# KiCad board AmigaPCI Mainboard.kicad_pcb (continued)
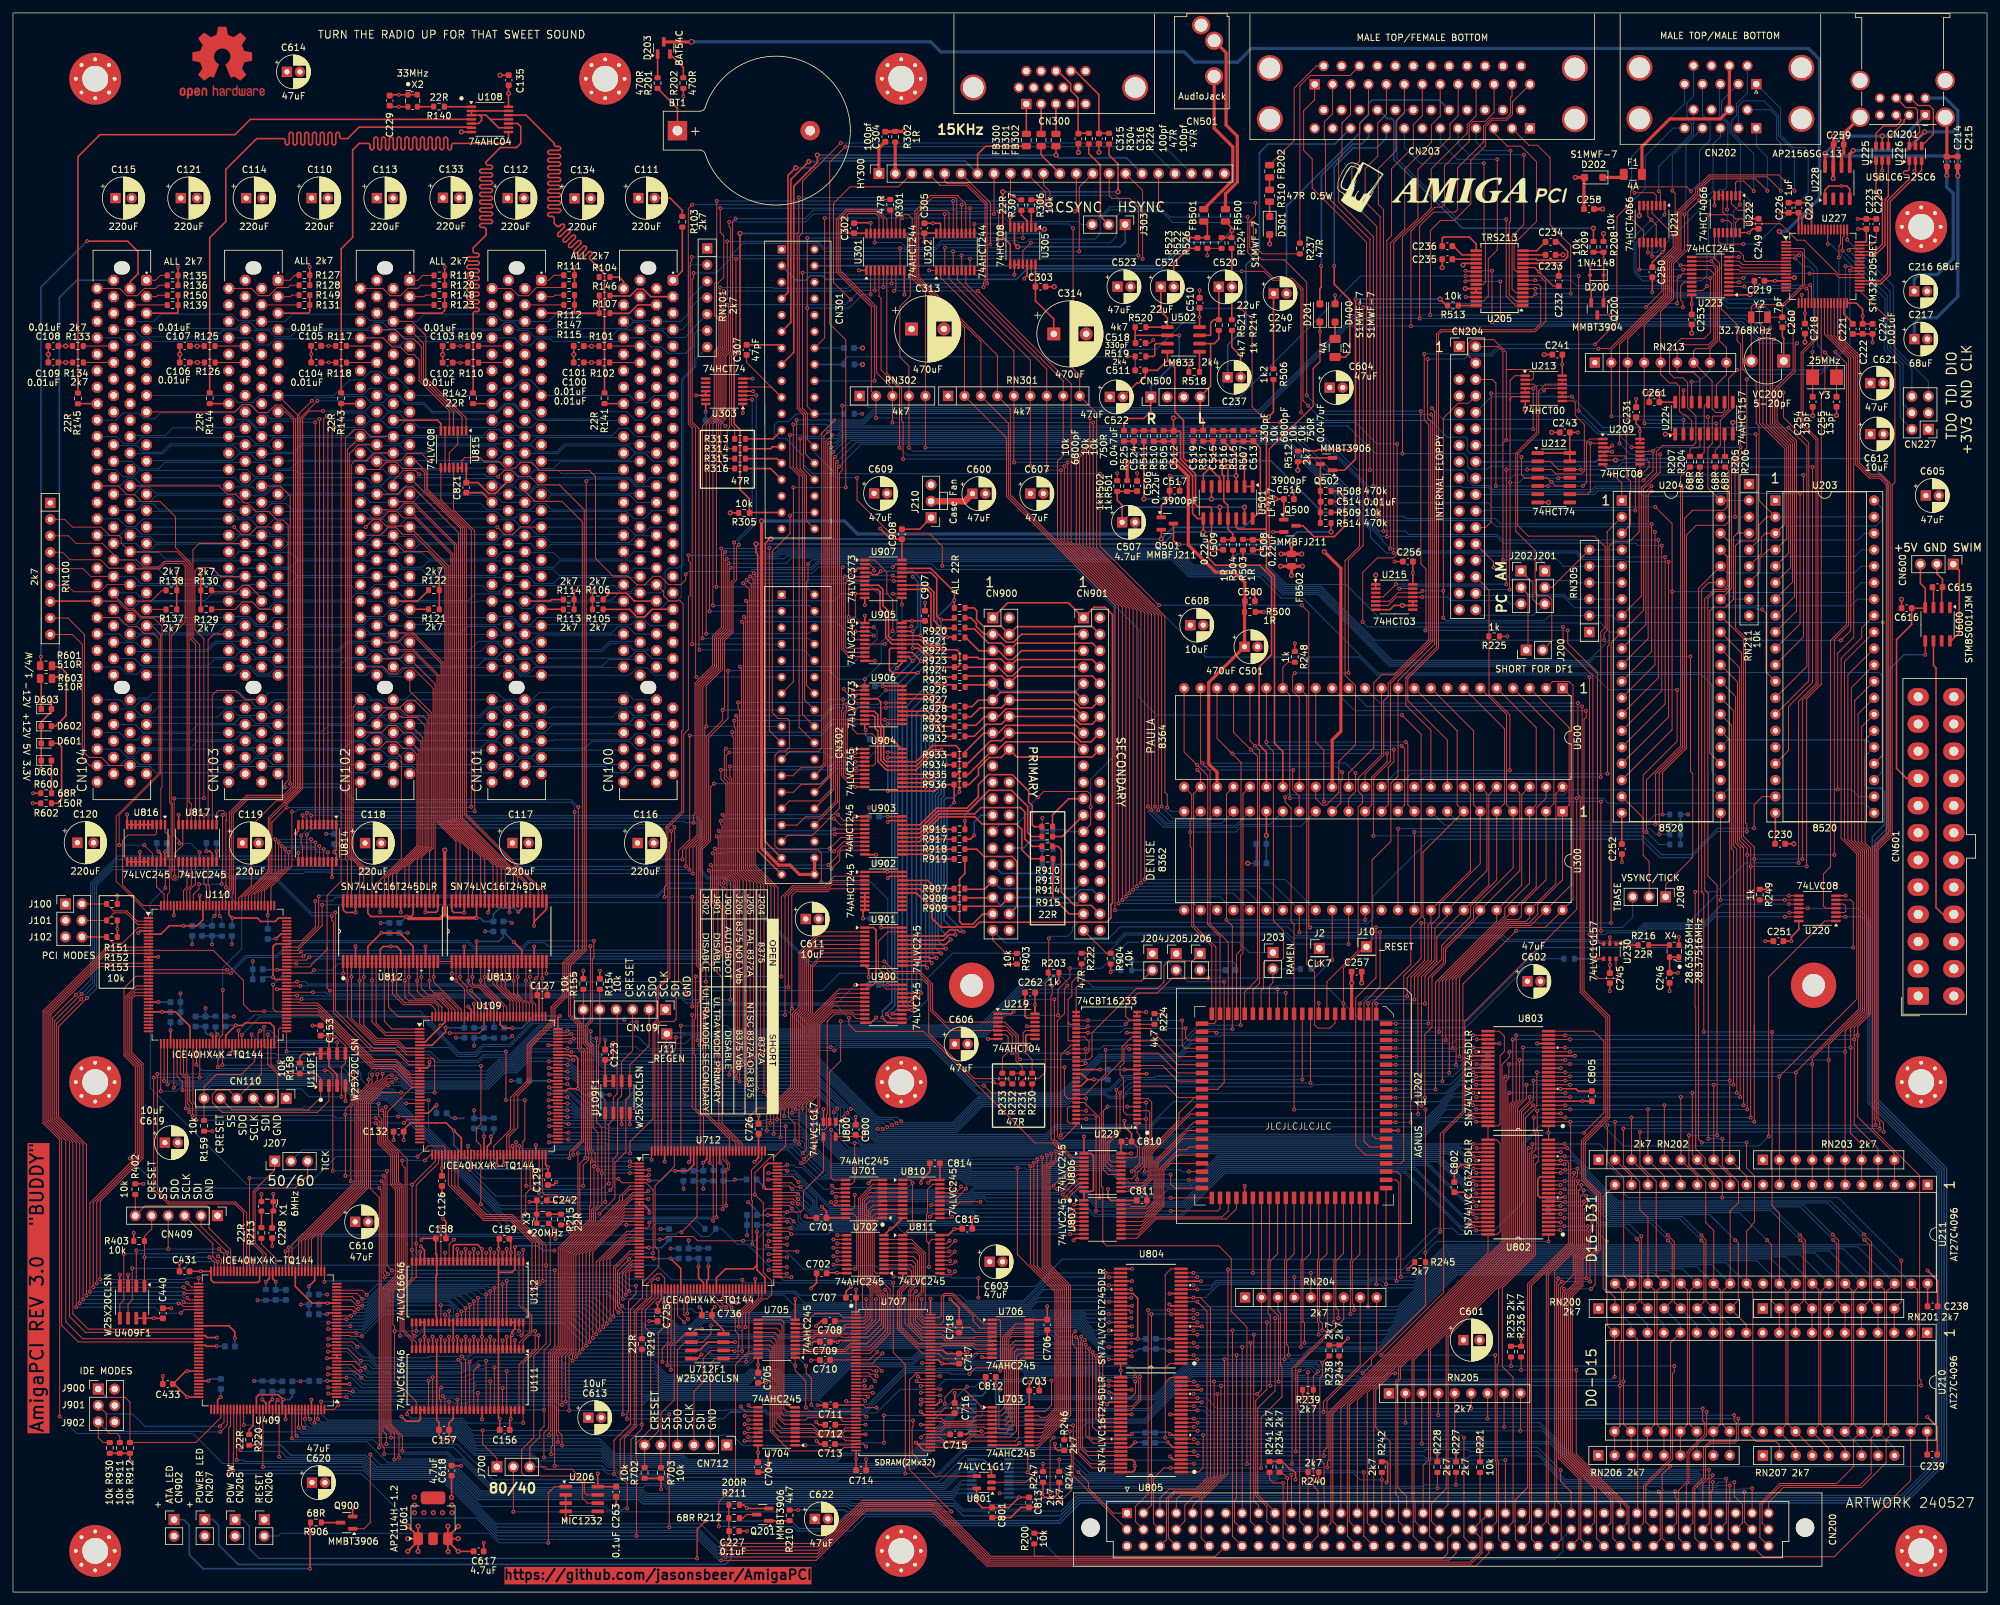
[diagram p0: board, top side]
## Nets (continued)
D16: CN200.b25 RN202.2 U204.33 U211.19 U227.23 U803.2
D17: CN200.a20 RN202.3 U204.32 U211.18 U227.24 U803.3
D18: CN200.b24 RN202.4 U204.31 U211.17 U227.25 U803.5
D19: CN200.b19 RN202.5 U204.30 U211.16 U803.6
D20: CN200.a18 RN202.6 U204.29 U211.15 U803.8
D21: CN200.c15 RN202.7 U204.28 U211.14 U803.9
D22: CN200.b18 RN202.8 U204.27 U211.13 U803.11
D23: CN200.c19 RN202.9 U204.26 U211.12 U803.12
D24: CN200.b14 RN203.2 U203.33 U211.10 U803.13
D25: CN200.a19 RN203.3 U203.32 U211.9 U803.14
D26: CN200.a14 RN203.4 U203.31 U211.8 U803.16
D27: CN200.b16 RN203.5 U203.30 U211.7 U803.17
D28: CN200.b13 RN203.6 U203.29 U211.6 U803.19
D29: CN200.a16 RN203.7 U203.28 U211.5 U803.20
D30: CN200.b15 RN203.8 U203.27 U211.4 U803.22
D31: CN200.a15 RN203.9 U203.26 U211.3 U803.23
DA0: U712.129 U902.3
DA1: U712.128 U902.2
DA2: U712.120 U902.4
DBDIR: U705.1 U706.1 U712.43
DIR: CN204.18 U203.11
DKWE: U213.12 U213.13 U500.39
DMAL: U202.18 U500.12
DRA0-G: U202.42 U229.10 U806.13
DRA1-0: U202.43 U806.12
DRA2-1: U202.44 U806.11
DRA3-2: U202.45 U807.18
DRA4-3: U202.46 U807.17
DRA5-4: U202.47 U807.16
DRA6-5: U202.48 U807.15
DRA7-6: U202.49 U807.14
DRA8-7: U202.50 U807.13
DRA9-8: U229.37 U806.16
DRD0: U202.14 U300.7 U500.10 U810.18
DRD1: U202.13 U300.6 U500.9 U810.17
DRD2: U202.12 U300.5 U500.7 U810.16
DRD3: U202.11 U300.4 U500.6 U810.15
DRD4: U202.10 U300.3 U500.5 U810.14
DRD5: U202.9 U300.2 U500.4 U810.13
DRD6: U202.8 U300.1 U500.3 U810.12
DRD7: U202.7 U300.48 U500.2 U810.11
DRD8: U202.6 U300.47 U500.1 U811.18
DRD9: U202.5 U300.46 U500.48 U811.17
DRD10: U202.4 U300.45 U500.47 U811.16
DRD11: U202.3 U300.44 U500.46 U811.15
DRD12: U202.2 U300.43 U500.45 U811.14
DRD13: U202.1 U300.42 U500.44 U811.13
DRD14: U202.84 U300.41 U500.43 U811.12
DRD15: U202.83 U300.40 U500.42 U811.11
DRDDIR: U712.107 U810.1 U811.1
FLTLEFT: CN301.3 FB500.1 R524.1 R526.2
FLTRIGHT: CN301.4 FB501.1 R522.1 R523.2
IDEDIR: U110.83 U900.1 U901.1
IDSEL0: CN100.A26 U109.48
IDSEL1: CN101.A26 U109.61
IDSEL2: CN102.A26 U109.55
IDSEL3: CN103.A26 U109.60
IDSEL4: CN104.A26 U109.56
IORDY: U110.110 U815.11
KBData: RN211.3 U204.39 U227.39
LVA0: U110.62 U712.12 U805.47
LVA1: U110.61 U409.144 U712.10 U805.29
LVA2: U111.38 U409.143 U712.8 U805.27
LVA3: U111.40 U409.1 U712.9 U805.26
LVA4: U111.41 U409.18 U712.15 U804.47
LVA5: U111.42 U409.19 U712.16 U804.46
LVA6: U112.37 U409.20 U712.17 U804.44
LVA7: U112.38 U409.21 U712.18 U804.43
LVA8: U112.36 U409.22 U712.19 U804.41
LVA9: U112.40 U409.23 U712.22 U804.40
LVA10: U112.41 U409.24 U712.23 U804.38
LVA11: U112.42 U409.25 U712.24 U804.37
LVA12: U112.43 U409.26 U712.25 U804.36
LVA13: U112.44 U409.28 U712.26 U804.35
LVA14: U112.45 U409.29 U712.28 U804.33
LVA15: U112.47 U409.31 U712.29 U804.32
LVA16: U109.42 U112.48 U409.32 U712.31 U804.30
LVA17: U109.43 U112.49 U409.33 U712.32 U804.29
LVA18: U109.44 U112.51 U409.34 U712.33 U804.27
LVA19: U109.45 U112.52 U409.37 U712.34 U804.26
LVA20: U111.43 U409.17 U712.11 U805.46
LVA21: U111.44 U409.15 U805.43
LVA22: U111.45 U409.3 U805.32
LVA23: U111.47 U409.16 U805.44
LVA24: U111.48 U409.8 U805.36
LVA25: U111.49 U409.12 U805.41
LVA26: U111.51 U409.4 U805.33
LVA27: U111.52 U409.11 U805.40
LVA28: U111.37 U409.2 U805.30
LVA29: U111.36 U409.7 U805.35
LVA30: U111.33 U409.9 U805.37
LVA31: U111.34 U409.10 U805.38
LVAD0: U109.2 U812.9
LVAD1: U109.1 U812.11
LVAD2: U109.144 U111.19 U812.12
LVAD3: U109.143 U111.17 U812.13
LVAD4: U109.142 U111.16 U812.14
LVAD5: U109.139 U111.15 U812.17
LVAD6: U109.141 U112.20 U812.16
LVAD7: U109.138 U112.19 U812.19
LVAD8: U109.3 U112.21 U812.8
LVAD9: U109.137 U112.17 U812.20
LVAD10: U109.136 U112.16 U812.22
LVAD11: U109.135 U112.15 U812.23
LVAD12: U109.134 U112.14 U813.2
LVAD13: U109.130 U112.13 U813.3
LVAD14: U109.125 U112.12 U813.5
LVAD15: U109.124 U112.10 U813.6
LVAD16: U109.122 U112.9 U813.8
LVAD17: U109.121 U112.8 U813.9
LVAD18: U109.120 U112.6 U813.11
LVAD19: U109.119 U112.5 U813.12
LVAD20: U109.118 U111.14 U813.13
LVAD21: U109.117 U111.13 U813.14
LVAD22: U109.116 U111.12 U813.16
LVAD23: U109.115 U111.10 U813.17
LVAD24: U109.114 U111.9 U813.19
LVAD25: U109.113 U111.8 U813.20
LVAD26: U109.112 U111.6 U813.22
LVAD27: U109.110 U111.5 U813.23
LVAD28: U109.4 U111.20 U812.6
LVAD29: U109.7 U111.21 U812.5
LVAD30: U109.9 U111.24 U812.2
LVAD31: U109.8 U111.23 U812.3
LVC1: U712.142 U814.12
LVC3: U712.143 U814.13
LVCLK7: U409.49 U712.93 U800.4
LVD0: U109.62 U704.11 U802.47 U900.9
LVD1: U109.63 U704.12 U802.46 U900.7
LVD2: U109.64 U704.13 U802.44 U900.5
LVD3: U109.73 U704.14 U802.43 U900.3
LVD4: U109.74 U704.15 U802.41 U901.8
LVD5: U109.75 U704.16 U802.40 U901.6
LVD6: U109.76 U704.17 U802.38 U901.4
LVD7: U109.78 U704.18 U802.37 U901.2
LVD8: U109.79 U703.18 U802.36 U901.3
LVD9: U109.80 U703.17 U802.35 U901.5
LVD10: U109.81 U703.16 U802.33 U901.7
LVD11: U109.82 U703.15 U802.32 U901.9
LVD12: U109.83 U703.14 U802.30 U900.2
LVD13: U109.84 U703.13 U802.29 U900.4
LVD14: U109.85 U703.12 U802.27 U900.6
LVD15: U109.87 U703.11 U802.26 U900.8
LVD16: U109.88 U701.11 U803.47 U905.9 U907.19
LVD17: U109.90 U701.12 U803.46 U905.7 U907.15
LVD18: U109.91 U701.13 U803.44 U905.5 U907.9
LVD19: U109.93 U701.14 U803.43 U905.3 U907.5
LVD20: U109.94 U701.15 U803.41 U904.8 U906.16
LVD21: U109.95 U701.16 U803.40 U904.6 U906.12
LVD22: U109.96 U701.17 U803.38 U904.4 U906.6
LVD23: U109.97 U701.18 U803.37 U904.2 U906.2
LVD24: U109.98 U409.38 U702.11 U803.36 U904.3 U906.5
LVD25: U109.99 U409.39 U702.12 U803.35 U904.5 U906.9
LVD26: U109.101 U409.41 U702.13 U803.33 U904.7 U906.15
LVD27: U109.102 U409.42 U702.14 U803.32 U904.9 U906.19
LVD28: U109.104 U409.43 U702.15 U803.30 U905.2 U907.2
LVD29: U109.105 U409.44 U702.16 U803.29 U905.4 U907.6
LVD30: U109.106 U409.45 U702.17 U803.27 U905.6 U907.12
LVD31: U109.107 U409.47 U702.18 U803.26 U905.8 U907.16
LVDRA0-G: U712.102 U806.7
LVDRA1-0: U712.101 U806.8
LVDRA2-1: U712.99 U806.9
LVDRA3-2: U712.98 U807.2
LVDRA4-3: U712.97 U807.3
LVDRA5-4: U712.96 U807.4
LVDRA6-5: U712.95 U807.5
LVDRA7-6: U712.91 U807.6
LVDRA8-7: U712.90 U807.7
LVDRA9-8: U712.106 U806.4
LVOVL: U409.81 U814.11
LVPARITY: U110.144 U816.3
LVR_W: U109.18 U110.79 U409.142 U701.1 U702.1 U703.1 U704.1 U712.144 U808.5 U812.1 U812.24 U813.1 U813.24
LVSIZ0: U110.17 U712.2 U809.9
LVSIZ1: U110.18 U712.1 U808.3
LVTM0: U409.136 U808.4
LVTM1: U409.137 U808.6
LVTM2: U409.141 U808.9
LVTT0: U110.60 U409.138 U712.4 U808.7
LVTT1: U110.73 U409.139 U712.3 U808.8
LVUPA0: U110.42 U809.2
LVUPA1: U110.44 U809.3
M0H: R204.2 R311.2 U300.9
M0V: R205.2 R309.2 U300.38
M1H: R206.2 R303.2 U300.8
M1V: R207.2 R312.2 U300.39
OVL: U204.2 U814.9
PAR_DA: U109.15 U110.82
PBUSY: CN203.11 CN302.18 RN211.5 U203.2 U203.39
PCIDIR: U109.38 U111.1 U111.28 U112.1 U112.28 U816.1
PHASEA_D: U109.16 U110.81
PIO_P0: U110.25 U409.73
PIO_P1: U110.24 U409.74
PIO_P2: U110.23 U409.75
PIO_S0: U110.22 U409.76
PIO_S1: U110.16 U409.87
PIO_S2: U110.15 U409.88
PotX0: U221.4 U223.17 U500.32
PotX1: CN202.14 U500.35
PotY0: U221.1 U223.15 U500.33
PotY1: CN202.18 U500.36
PPD0: CN203.2 CN302.23 U204.10
PPD1: CN203.3 CN302.24 U204.11
PPD2: CN203.4 CN302.25 U204.12
PPD3: CN203.5 CN302.26 U204.13
PPD4: CN203.6 CN302.27 U204.14
PPD5: CN203.7 CN302.28 U204.15
PPD6: CN203.8 CN302.29 U204.16
PPD7: CN203.9 CN302.30 U204.17
PPOUT: CN203.12 CN302.16 RN211.6 U203.3 U203.40
PSEL: CN203.13 CN302.21 Q200.3 RN211.7 U203.4
PSTROBE: CN203.1 CN301.36 RN211.8 U204.18
R_W: CN200.b12 R245.2 U202.22 U203.22 U204.22 U227.27 U802.1 U802.24 U803.1 U803.24 U808.15
RAMCLK: J700.2 U707.68
RAWLEFT: C513.1 CN302.33 Q501.2 R507.1 R515.1 U501.14
RAWRIGHT: C512.1 CN302.35 Q500.2 R505.1 R510.1 U501.8
RGA1: U202.33 U300.17 U500.26
RGA2: U202.32 U300.16 U500.25
RGA3: U202.31 U300.15 U500.24
RGA4: U202.30 U300.14 U500.23
RGA5: U202.29 U300.13 U500.22
RGA6: U202.28 U300.12 U500.21
RGA7: U202.27 U300.11 U500.20
RGA8: U202.26 U300.10 U500.19
SIZ0: CN200.c16 R244.2 U809.11
SIZ1: CN200.a17 R243.2 U808.17
TBASE: CN302.14 J208.2 U204.19
TICK50: J207.1 U409.56
TICK60: J207.3 U409.55
TM0: CN200.a12 R240.2 U808.16
TM1: CN200.c12 R239.2 U808.14
TM2: CN200.a13 R238.2 U808.11
TT0: CN200.c32 R236.2 U808.13
TT1: CN200.b33 R235.2 U808.12
UDB0: U701.9 U705.9 U707.2 U810.2
UDB1: U701.8 U705.8 U707.4 U810.3
UDB2: U701.7 U705.7 U707.5 U810.4
UDB3: U701.6 U705.6 U707.7 U810.5
UDB4: U701.5 U705.5 U707.8 U810.6
UDB5: U701.4 U705.4 U707.10 U810.7
UDB6: U701.3 U705.3 U707.11 U810.8
UDB7: U701.2 U705.2 U707.13 U810.9
UDB8: U702.9 U706.2 U707.85 U811.2
UDB9: U702.8 U706.3 U707.83 U811.3
UDB10: U702.7 U706.4 U707.82 U811.4
UDB11: U702.6 U706.5 U707.80 U811.5
UDB12: U702.5 U706.6 U707.79 U811.6
UDB13: U702.4 U706.7 U707.77 U811.7
UDB14: U702.3 U706.8 U707.76 U811.8
UDB15: U702.2 U706.9 U707.74 U811.9
UPA0: CN200.c33 R228.2 U809.18
UPA1: CN200.b34 R227.2 U809.17
VCDAC: CN302.15 R230.1 U303.3
Vref: C506.1 C507.1 R501.2 R502.1 U501.10 U501.13
XCLK: R307.2 U230.3
Net-(BT1-+): BT1.1 R201.1
Net-(C237-Pad2): C237.2 R214.2
Net-(C315-Pad1): C315.1 CN300.13 R304.1
Net-(C316-Pad1): C316.1 CN300.14 R226.1
Net-(C515-Pad2): C515.2 R515.2 R516.1
Net-(C520-Pad1): C520.1 R521.2 U502.7
Net-(C521-Pad1): C521.1 R520.2 U502.1
Net-(C521-Pad2): C521.2 R522.2
Net-(C524-Pad2): C524.2 R510.2 R511.1
Net-(CN100-_PRSNT1): CN100.B9 R101.1
Net-(CN100-_PRSNT2): CN100.B11 R102.1
Net-(CN100-_TRST): CN100.A1 R103.1
Net-(CN100-TCK): CN100.B2 R104.2
Net-(CN101-_PRSNT1): CN101.B9 R109.1
Net-(CN101-_PRSNT2): CN101.B11 R110.1
Net-(CN101-_TRST): CN101.A1 R111.1
Net-(CN101-TCK): CN101.B2 R112.2
Net-(CN102-_PRSNT1): CN102.B9 R117.1
Net-(CN102-_PRSNT2): CN102.B11 R118.1
Net-(CN102-_TRST): CN102.A1 R119.1
Net-(CN102-TCK): CN102.B2 R120.2
Net-(CN103-_PRSNT1): CN103.B9 R125.1
Net-(CN103-_PRSNT2): CN103.B11 R126.1
Net-(CN103-_TRST): CN103.A1 R127.1
Net-(CN103-TCK): CN103.B2 R128.2
Net-(CN104-_PRSNT1): CN104.B9 R133.1
Net-(CN104-_PRSNT2): CN104.B11 R134.1
Net-(CN104-_TRST): CN104.A1 R135.1
Net-(CN104-TCK): CN104.B2 R136.2
Net-(CN203-Pad34): CN203.34 F2.2
Net-(CN207-Pin_1): C227.1 CN207.1 R211.1 R212.2
Net-(CN300-Pad1): CN300.1 FB300.1
Net-(CN300-Pad2): CN300.2 FB301.1
Net-(CN300-Pad3): CN300.3 FB302.1
Net-(CN301-Pad23): CN301.23 R313.1
Net-(CN301-Pad25): CN301.25 R314.1
Net-(CN301-Pad27): CN301.27 R315.1
Net-(CN301-Pad29): CN301.29 R316.1
Net-(CN301-Pad33): CN301.33 R305.1 U305.1
Net-(CN500-Pin_1): C518.2 CN500.1 R520.1 R525.2 U502.2
Net-(CN500-Pin_4): C519.2 CN500.4 R517.2 R521.1 U502.6
Net-(CN501-PadR): CN501.R FB501.2
Net-(CN501-PadT): CN501.T FB500.2
Net-(CN900-Pin_31): CN900.31 R901.2
Net-(CN901-Pin_31): CN901.31 R905.2
Net-(CN902-Pin_1): CN902.1 R906.2
Net-(D200-K): D200.1 Q200.1 R208.1 R209.2
Net-(D201-A): CN203.35 D201.2
Net-(D202-K): D202.1 F1.1
Net-(D203-Pad1): D203.1 R201.2
Net-(D203-Pad2): D203.2 R202.2
Net-(D301-K): D301.1 R310.2
Net-(D400-K): D400.1 F2.1
Net-(D600-A): D600.2 R602.2
Net-(D601-A): D601.2 R600.2
Net-(D602-A): D602.2 R601.2
Net-(D603-K): D603.1 R603.1
Net-(FB202-Pad1): FB202.1 R310.1
Net-(J204-B): J204.2 R229.2 U229.29 U229.30
Net-(J206-A): J206.1 U229.41
Net-(J206-B): C213.2 J206.2
Net-(J303-A): J303.1 U305.6
Net-(J303-C): J303.2 R304.2
Net-(Q201-B): Q201.1 R210.2
Net-(Q201-C): Q201.3 R211.2
Net-(Q500-G): Q500.3 R508.1
Net-(Q500-S): C516.1 Q500.1 R511.2 U501.6
Net-(Q501-G): Q501.3 R514.1
Net-(Q501-S): C517.1 Q501.1 R516.2 U501.3
Net-(Q502-B): Q502.1 R512.2 R513.2
Net-(Q502-C): C514.1 Q502.3 R508.2 R509.1 R514.2
Net-(Q900-C): Q900.3 R906.1
Net-(R141-Pad2): R141.2 U108.12
Net-(R142-Pad2): R142.2 U108.10
Net-(R143-Pad2): R143.2 U108.8
Net-(R144-Pad2): R144.2 U108.6
Net-(R145-Pad2): R145.2 U108.4
Net-(R226-Pad2): R226.2 U305.8
Net-(R230-Pad2): R230.2 U219.10
Net-(R231-Pad2): R231.2 R232.2 U219.4
Net-(R233-Pad2): R233.2 U219.6
Net-(R306-Pad2): R306.2 U305.2
Net-(R307-Pad1): R307.1 U305.3
Net-(U108-Pad11): U108.2 U108.3 U108.5 U108.9 U108.11 U108.13
Net-(U109-GNDPLL0): C136.2 C137.2 U109.53
Net-(U109-GNDPLL1): C138.2 C139.2 U109.127
Net-(U109-VCCPLL0): R157.2 U109.54
Net-(U109-VCCPLL1): R156.2 U109.126
Net-(U110-GNDPLL0): C149.2 C150.2 U110.53
Net-(U110-GNDPLL1): C151.2 C152.2 U110.127
Net-(U110-VCCPLL0): R161.2 U110.54
Net-(U110-VCCPLL1): R160.2 U110.126
Net-(U205B-C1+): C234.1 U205.12
Net-(U205B-C1-): C234.2 U205.14
Net-(U205B-C2+): C236.2 U205.15
Net-(U205B-C2-): C236.1 U205.16
Net-(U205B-V+): C233.1 U205.13
Net-(U205B-V-): C235.1 U205.17
Net-(U220-Pad3): U220.3 U220.5
Net-(U227-VBAT): D203.3 U227.1
Net-(U227-VCAP_1): C222.1 U227.31
Net-(U227-VCAP_2): C223.1 U227.47
Net-(U229P-16B1): R224.2 U229.25
Net-(U230-Y): R217.2 U230.4
Net-(U301-1Y2): R301.2 U301.14
Net-(U409-GNDPLL0): C438.2 C439.2 U409.53
Net-(U409-GNDPLL1): C436.2 C437.2 U409.127
Net-(U409-IO0_190): R220.1 U409.122
Net-(U409-VCCPLL0): R401.2 U409.54
Net-(U409-VCCPLL1): R400.2 U409.126
Net-(U501A--): C515.1 R517.1 U501.1 U501.2
Net-(U501B--): C524.1 R525.1 U501.5 U501.7
Net-(U502A-+): R519.1 U502.3
Net-(U502B-+): R518.1 U502.5
Net-(U600-VCAP): C615.1 U600.3
Net-(U712-GNDPLL0): C730.2 C735.2 U712.53
Net-(U712-GNDPLL1): C728.2 C729.2 U712.127
Net-(U712-IO2_57): R219.1 U712.38
Net-(U712-IO3_14A_GBIN6): R218.1 U712.21
Net-(U712-VCCPLL0): R701.2 U712.54
Net-(U712-VCCPLL1): R700.2 U712.126
Net-(U815-Pad6): U815.6 U815.9
Net-(U815-Pad10): U815.3 U815.10
Net-(U903A-B0): R910.1 U903.18
Net-(U903A-B1): R913.1 U903.17
Net-(U903A-B2): R914.1 U903.16
Net-(U903A-B3): R915.1 U903.15
Net-(U903A-B4): R916.1 U903.14
Net-(U903A-B5): R917.1 U903.13
Net-(U903A-B6): R918.1 U903.12
Net-(U903A-B7): R919.1 U903.11
Net-(X1-OUT): R213.2 X1.3
Net-(X2-OUT): R140.2 X2.3
Net-(X3-OUT): R215.2 X3.3
Net-(X4-OUT): R216.2 X4.3

Pads without a net: CN100 A9 A11 A14 A19 B4 B10 B14; CN101 A9 A11 A14 A19 B4 B10 B14; CN102 A9 A11 A14 A19 B4 B10 B14; CN103 A9 A11 A14 A19 B4 B10 B14; CN104 A9 A11 A14 A19 B4 B10 B14; CN203 15 37 38 39 40 41 42 44 46 48 49 50; CN300 4 9 11 12 15; CN301 1 2 5 31 35; CN601 8 20; CN900 21 29 32 34; CN901 21 29 32 34; J210 3; RN211 9; U109 20 21 22 25 26 31 32 33 34 35 36 47 50 51 58 77 109 133; U110 7 8 9 20 21 26 28 29 31 32 33 34 35 36 50 51 58 63 64 75 76 77 90 102 104 105 106 107 109 128 133 138 139 141; U112 23 24 33 34; U203 15 16 18; U205 19; U206 5; U210 1; U211 1; U212 6 8; U215 3 8; U219 2 8 12; U222 10 11; U223 2 18; U227 2 14 15 16 17 34 41 42 43 52 53 54 56 57 58 59 61 62; U228 2 3; U229 8 9 11 12 16 17 40 45 46 48; U303 6 8 9 10 13; U409 35 36 50 51 58 63 64 77 82 83 84 85 93 94 95 96 97 98 99 101 102 104 105 106 107 109 110 120 121 133; U600 1 7; U707 14 21 30 57 69 70 73; U712 35 36 50 51 58 63 64 77 109 112 113 114 115 119 133 134 136; U800 1; U801 1; U902 11 12 13 14

## Via types
v1: diameter 0.6, hole 0.3, Top to Bottom, 2197 vias
v2: diameter 0.8, hole 0.4, Top to Bottom, 129 vias
v3: diameter 0.9, hole 0.6, Top to Bottom, 1 via

## Routing (per net, layer and track width the routed paths; a pad name or vN(x,y) marks a point on that pad's centre or on a via; arc(x,y) is an arc through that point)
+1V2: length 218
  Top w0.25: U109.27 64.13,73.94 v1(65.39,75.2) ; v1(98.16,53.19) 98.15,53.2 U712.27 ; U110.40 v1(24.34,86.74) ; U712.92 v1(116.55,58.2) ; v1(48.48,42.9) 48.69,43.11 U409.27 ; 66.22,64.27 v1(66.22,65.45) 66.23,65.46 U109.40 ; U409.111 31.59,29.63 32.07,30.11 v1(32.1,30.11) 32.1,30.14 32.1,30.13 ; v2(61.97,14.66) 61.99,14.68 ; v1(22.45,91.1) 22.44,91.09 U110.27 ; v2(67.71,14.6) 67.72,14.61 C618.2 ; v1(31.44,37.95) 29.83,37.95 29.67,38.11 U409.92 ; v1(114.47,66.43) 115.12,67.07 U712.111 115.12,70.74 ; U109.92 v1(82.77,78.94) ; U110.111 v1(39.34,104.5) ; U712.40 100.12,45.2 v1(99.53,44.61) C725.1 ; U110.92 v1(40.79,96.09) ; U409.40 46.59,48.11 v1(45.69,47.21) ; C127.1 v1(80.96,93.45) ; U109.111 81.23,91.91
  In2.Cu w2: CN200.a6 184.71,13.82 183.37,15.16 165.45,15.16 161.21,10.92 152.73,10.92 142.81,1 132.77,1 130.51,3.26 80.6,3.26 78.05,5.81
  Bottom w0.25: 74.22,85.59 C139.1 71.21,84.36 v1(71.2,84.35) ; C151.1 32.22,101.33 ; C437.1 38.56,32.54 ; C421.1 v1(45.69,47.21) ; C735.1 v1(104.32,54.32) ; v1(30.72,100) 30.74,100.02 C152.1 ; v1(71.21,74.39) 71.2,74.38 C136.1 74.19,73.14 ; v1(32.1,30.11) 32.11,30.12 C420.1 ; v1(31.44,37.95) 31.45,37.94 C429.1 ; C728.1 106.59,62.28 v1(106.6,62.27) ; v1(39.34,104.5) C141.1 ; R701.1 104.38,53.1 ; 101.28,54.31 100.16,53.19 v1(98.16,53.19) ; C149.1 29.73,90.16 v1(29.74,90.17) ; C124.1 v1(65.39,75.2) ; v1(48.48,42.9) C430.1 ; v1(40.79,96.09) 38.63,96.09 ; R400.1 37.26,32.59 v1(37.25,32.6) ; v1(37.76,45.05) 37.77,45.06 R401.1 42.09,45.06 ; C724.1 114.88,58.85 v1(113.53,60.2) ; v1(116.55,58.2) 114.9,58.2 ; C150.1 31.22,88.88 ; v1(22.45,91.1) 24.31,91.1 ; C729.1 108.07,63.5 ; v1(24.34,86.74) 24.34,88 ; v1(82.77,78.94) 79.73,78.95
  vias: v2(62.01,13.41) v2(62.01,12.26) v2(63.44,12.26) v2(64.9,12.26) v2(66.33,12.26) v2(67.75,13.43) v2(67.79,12.26)
+3V3: length 730.6
  Top w0.15: 126.16,35.85 U707.15 132.21,35.85 v1(133.45,37.09) ; 146.09,40.14 143.92,40.14 143.71,40.35 U707.81 140.32,40.35 139.01,41.66 139.01,46.03 v1(139.44,46.46) ; C711.1 130.15,28.84 ; 130.13,70.34 127.06,70.34 ; v1(131.66,25.84) 131.65,25.85 U707.35 126.97,25.85 ; v1(133.35,28.48) 133.35,28.48 131.66,28.48 131.29,28.85 U707.29 ; C713.1 U707.41 131.36,22.85 v1(131.73,22.47) ; v1(130.18,20.55) 130.17,20.56 ; v1(140.21,23.88) 140.69,24.35 U707.49 144.7,24.35 ; 48.78,85.92 v1(48.79,85.93) ; C708.1 U707.3 131.41,41.85 132,42.44 132,43.8 131.74,44.06 v1(131.74,45.22)
  Top w0.25: X2.4 X2.1 59.61,231.21 v1(59.6,231.2) 59.59,231.21 58.29,231.21 ; C132.1 60.32,69.8 v1(60.33,69.79) ; v1(130.18,20.55) 130.17,20.55 C714.1 ; U227.64 275.7,212.98 ; U228.4 283.6,216.66 283.14,217.12 v1(282.33,217.12) 280.38,217.12 279.79,216.53 U228.1 ; C219.1 v1(272.07,202.48) 272.08,202.47 U227.13 ; v1(130.18,46.72) 130.16,46.71 C707.1 U707.1 ; v1(84.45,88.96) 84.14,88.66 U109.108 ; C709.1 127.25,38.66 v1(127.31,38.6) 127.56,38.85 U707.9 ; U805.31 169.26,29.33 v1(168.92,28.99) ; v1(98.22,63.55) 98.07,63.7 U712.6 ; 65.43,37.5 65.43,38.87 ; U409.100 v1(26.91,34.11) 26.69,34.11 C433.1 ; 76.5,171.66 74.48,169.64 73.48,169.64 71.8,171.32 C821.2 69.99,173.58 ; U803.31 225.28,82.79 v1(225.22,82.85) ; 62.9,51.05 62.9,52.57 v1(62.89,52.57) ; U409.30 v1(48.55,44.61) 46.18,44.61 43.59,47.2 U409.46 ; 91.44,82.17 U109F1.8 U109F1.7 ; v1(129.46,130.18) 131.53,130.18 ; U110.89 40.52,94.59 v1(40.15,94.96) 40.15,99.66 40.58,100.09 U110.100 ; R152.1 v1(16.11,102.4) R153.1 ; C812.1 151.74,31.9 ; U109.57 v1(74.73,65.94) ; U111.22 U111.35 65.44,26.58 65.77,26.25 C157.1 65.77,24.22 v1(66.44,23.55) ; v1(71.58,100.48) 71.58,100.48 U813.7 ; U814.1 49.93,114.57 v1(49.6,114.25) 49.93,113.92 U814.20 ; 171.08,69.5 171.08,67.72 172.63,67.72 v1(172.64,67.73) ; v1(108.35,44.03) 107.93,43.6 C736.2 107.93,42.26 109.7,40.49 U712F1.8 ; v1(98.94,51.5) 98.74,51.7 U712.30 ; X1.4 40.21,61.49 ; U707.75 143.56,37.35 144.09,36.82 C717.1 147.14,36.82 v1(147.41,37.09) ; U109.72 82.23,66.01 v1(82.62,65.62) C129.1 ; 227.74,59.03 224.78,59.03 v1(224.78,59.03) ; U409.6 48.54,32.61 v1(48.53,32.6) ; 143.12,66.19 U810.20 141.74,63.62 v1(141.3,63.19) ; v1(272.9,212.99) C226.2 C220.1 ; U409.123 37.59,30.09 37.98,30.48 40.95,30.48 v1(41.71,29.72) 41.59,29.6 U409.131 ; U112.22 65.44,48.93 65.32,48.81 65.32,42.62 65.44,42.5 U112.35 ; U109.123 75.23,87.63 75.79,87.07 v1(77.09,87.07) ; U812.7 54.8,99.69 v1(56.89,101.78) 59.71,101.78 61.78,99.7 U812.18 ; v1(224.86,75.81) 224.86,75.81 U803.42 ; U111.3 v1(77.5,38.89) ; v1(21.76,42.29) 20.31,42.29 ; C153.2 48.78,85.92 48.78,83.16 ; 80.88,60.23 79.78,60.23 v1(79.75,60.25) ; v1(31.43,114.38) U817.20 ; U907.20 137.25,162.57 ; U110.6 22.84,101.59 24.13,102.88 v1(26.36,102.88) 28.41,102.88 29.34,103.81 U110.131 ; v1(20.16,63.03) 20.15,63.04 R402.1 ; v1(101.55,51.5) 103.12,49.93 U712.46 ; U227.32 284.61,199.04 285.6,198.05 v1(285.6,197.06) 285.6,197.05 C221.1 C224.1 ; U712.57 108.62,48.51 110.01,49.9 114.31,49.9 114.88,50.47 ; v1(111.48,38.6) 111.47,38.58 U712F1.7 107.26,38.58 105.99,37.31 U712F1.3 ; 227.75,66.02 224.76,66.02 v1(224.76,66.02) 223.64,66.02 222.55,64.93 222.55,63.3 ; U109F1.3 93.97,72.21 v1(93.98,72.21) ; 74.96,49.38 77.04,49.38 77.5,49.84 U112.3 v1(77.5,53.26) ; 74.96,49.38 U112.7 ; 74.96,49.38 U112.50 U111.7 U111.50 74.96,26.9 v1(75.15,26.71) C156.1 ; 50.06,78.2 50.06,79.88 48.78,81.16 48.78,83.16 ; U905.1 v1(131.53,150.76) ; 65.43,51.04 65.43,52.11 65.29,52.25 C158.1 63.29,54.61 v1(63.04,54.37) ; U804.31 172.94,46.1 173.66,45.38 v1(173.66,39.11) 173.65,39.12 U804.42 ; U409.108 v1(26.9,30.11) 24.9,32.11 ; v1(169.08,62.23) 169.08,60.9 169.5,60.49 U807.20 173.52,60.49 ; v1(100.05,15.87) R703.1 R702.1 ; 102.28,65.05 104.18,65.05 105.12,65.99 U712.131 ; U109.131 71.23,90.75 v1(71.16,90.83) ; U901.20 134.07,102.6 v1(134.06,102.61) ; C703.1 v1(156.91,32.42) ; C218.1 276.68,197.45 v1(276.69,197.46) 276.7,197.47 U227.19 ; 130.13,70.34 131.31,70.34 v1(131.38,70.41) ; v1(66.8,87.14) 66.8,86.53 64.71,84.44 U109.6 ; U712.100 116.22,62.2 v1(115.93,62.49) 115.93,65.54 116.59,66.2 U712.108 ; C705.1 v1(115.06,35.13) 115.06,36.18 ; R403.1 v1(18.65,55.47) ; v1(52.45,12.99) 52.46,12.98 Q900.2 ; U109.100 85.83,82.94 85.98,82.79 86.84,82.79 87.21,82.42 v1(87.21,77.71) 85.71,77.71 85.44,77.44 U109.89 ; 74.96,54.43 v1(74.96,52.97) 74.96,51.04 ; C228.1 40.02,58.65 ; U712.72 116.12,48.5 114.88,49.74 114.88,50.47 ; 48.78,83.16 44.81,83.16 44.28,82.63 R158.1 ; U110.108 41.02,104.09 40.48,103.55 38.26,103.55 37.72,104.09 v1(33.86,104.09) 33.34,104.61 U110.123 ; U220.14 275.74,102.33 274.6,101.19 v1(274.6,100.51) 273.36,100.51 ; 115.04,22.66 115.04,21.56 v1(115.05,21.55) 115.04,21.54 C704.1 ; 62.88,37.5 62.88,38.87 ; U110.46 27.34,87.36 25.11,89.59 v1(23.02,89.59) U110.30 ; U801.5 148.8,13.9 149.65,13.05 C801.1 153.75,13.05 v1(155.33,14.62) 156.88,14.62 ; 76.5,232.67 76.5,231.43 v2(76.53,231.4) 76.5,231.37 76.5,229.37 ; v1(135.08,93.77) 135.09,93.76 U900.20 ; R155.1 v1(88.06,95.95) ; U813.18 78.56,99.13 v1(77.35,100.34) ; C440.2 21.78,42.27 ; 114.88,50.47 v1(114.88,55.62) ; v1(103.51,230.97) 103.5,230.97 R202.1 ; v1(284.87,210.48) C225.2 286.17,208.57 286.07,208.47 U227.48 ; C815.1 145.41,56.11 v1(145.35,56.05) 144.39,55.09 U811.20 ; U110.57 32.84,85.95 v1(34.4,87.51) 35.47,87.51 35.84,87.88 39.69,87.88 40.34,87.23 U110.72 ; U805.42 172.46,22.34 v1(173.25,23.13) ; v1(257.08,95.62) 257.07,95.61 C246.1 255.78,98.05 ; v1(109.19,66.3) 109.12,66.38 U712.123 ; v1(135.08,131.69) 135.74,131.69 U904.20 ; R151.1 v1(16.11,107.57) ; R154.1 v1(90.62,95.93) ; U409F1.3 17.77,49 ; C908.1 135.55,162.58 v1(133.91,164.22) ; 67.17,6.26 67.16,6.27 v2(67.18,6.25) ; X3.1 80.87,60 ; 27.26,49.52 28.99,49.52 v1(29,49.53) 29.01,49.52 U409.72 30.59,48.2 30.99,47.8 37.84,47.8 38.09,48.05 U409.57 ; C907.1 138.82,149.96 v1(138.82,149.97) 137.58,149.97 U905.20 ; C706.1 v1(159.69,44.11) ; U906.20 v1(134.31,139.91) ; v1(92.68,84.78) 92.68,82.6 92.26,82.18 C123.2 ; 18.06,20.25 R912.2 R930.2 ; U409.89 29.7,39.61 30.01,39.3 v1(31.46,39.3) ; U702.20 127.29,49.25 v1(127.23,49.31) 125.71,49.31 ; v1(140.16,27.84) 140.65,27.35 U707.55 145.12,27.35 ; v1(124.9,59.5) 125.6,58.8 C701.1 ; R159.1 v1(30.79,71.17) ; R602.1 v1(3.11,123.35) ; U816.20 v1(23.48,114.34) ; U703.20 156.91,31.11 ; U109.46 69.23,70.12 69.21,70.12 v1(68.06,71.27) 66.88,72.45 65.32,72.45 65.31,72.44 U109.30 61.38,72.44 60.31,71.37 ; U712.89 v1(116.6,56.7) ; U701.20 125.6,57.77 ; 68.74,8.24 v2(68.75,8.25) ; v2(68.75,6.28) 71.12,6.28 ; X4.4 X4.1 ; 130.17,20.56 130.17,21.84 ; U706.20 159.69,42.05 ; U409F1.8 U409F1.7
  Top w0.3: 67.16,7.87 v2(68.75,6.28) ; U601.3 67.16,6.27 ; U601.3 v2(67.16,10.16) ; U601.3 68.74,8.24 ; 67.16,8.54 v2(68.77,10.15)
  Bottom w0.25: v1(84.45,88.96) 80.44,88.96 78.54,87.07 v1(77.09,87.07) 75.87,87.07 ; 153.79,14.62 155.32,14.62 v1(155.33,14.62) ; 225.3,82.78 v1(225.22,82.85) 225.29,82.79 C803.1 ; v1(79.75,60.25) 81.88,60.25 82.6,60.97 86.18,60.97 v1(86.37,60.78) ; v1(115.93,62.49) 115.93,62.59 114.82,63.7 ; v1(34.4,87.51) 33.03,87.51 ; v1(71.16,90.83) 71.16,89.74 69.69,88.28 C130.1 v1(66.8,87.14) ; v1(114.88,55.62) C721.1 v1(116.6,56.7) ; C818.1 v1(56.89,101.78) ; v1(98.22,63.55) 100.04,63.55 101.54,65.05 v1(102.25,65.05) C722.1 ; C128.1 88.12,76.8 v1(87.21,77.71) ; 75.73,101.96 v1(77.35,100.34) ; U808.20 152.2,24.45 151.75,24.9 v1(151.75,31.89) ; 74.72,65.31 74.73,65.32 v1(74.73,65.94) ; 74.72,65.31 71.74,65.31 68.06,69 v1(68.06,71.27) ; 74.72,65.31 82.31,65.31 v1(82.62,65.62) ; v1(98.94,51.5) v1(101.55,51.5) C723.1 ; v1(134.31,139.91) 133.16,139.91 ; v1(48.55,44.61) 47.44,44.61 ; C432.1 48.52,32.59 v1(48.53,32.6) ; v1(109.19,66.3) 109.68,65.82 C719.1 ; v1(77.5,53.26) 77.72,53.47 81.1,53.47 81.84,52.74 v1(83.6,52.74) ; v1(33.86,104.09) 33.86,102.94 ; C819.1 75.73,101.2 75.01,100.48 v1(71.58,100.48) ; v1(40.15,94.96) 38.9,94.96 C147.1 ; v1(135.08,93.77) 133.69,93.77 ; v1(23.48,114.34) 23.75,114.61 C822.2 ; v1(135.08,131.69) 135.07,131.7 C905.1 ; C901.1 v1(134.06,102.61) ; v1(41.71,29.72) 42.71,29.72 43.13,30.14 C435.1 ; v1(173.25,23.13) 174.82,23.13 ; v1(173.66,39.11) C809.1 ; v1(23.02,89.59) 24.28,89.59 ; v1(49.6,114.25) C820.2 ; C823.2 31.42,114.39 v1(31.43,114.38) ; v1(26.36,102.88) C148.1
  vias: v1(17.76,49) v1(18.05,20.24) v1(40.2,61.49) v1(62.89,38.87) v1(65.43,38.87)